# Altium PCB PMSM_Driver.PcbDoc (part 3 of 4)
Units mm, origin at the board's own origin, x right, y up, seen from the top; angles counter-clockwise.
Board outline 270 x 180 mm, 2 copper layers (Top Layer, Bottom Layer), stack 1.371 mm thick; 410 components, 145 nets, 890 pads, 484 vias.
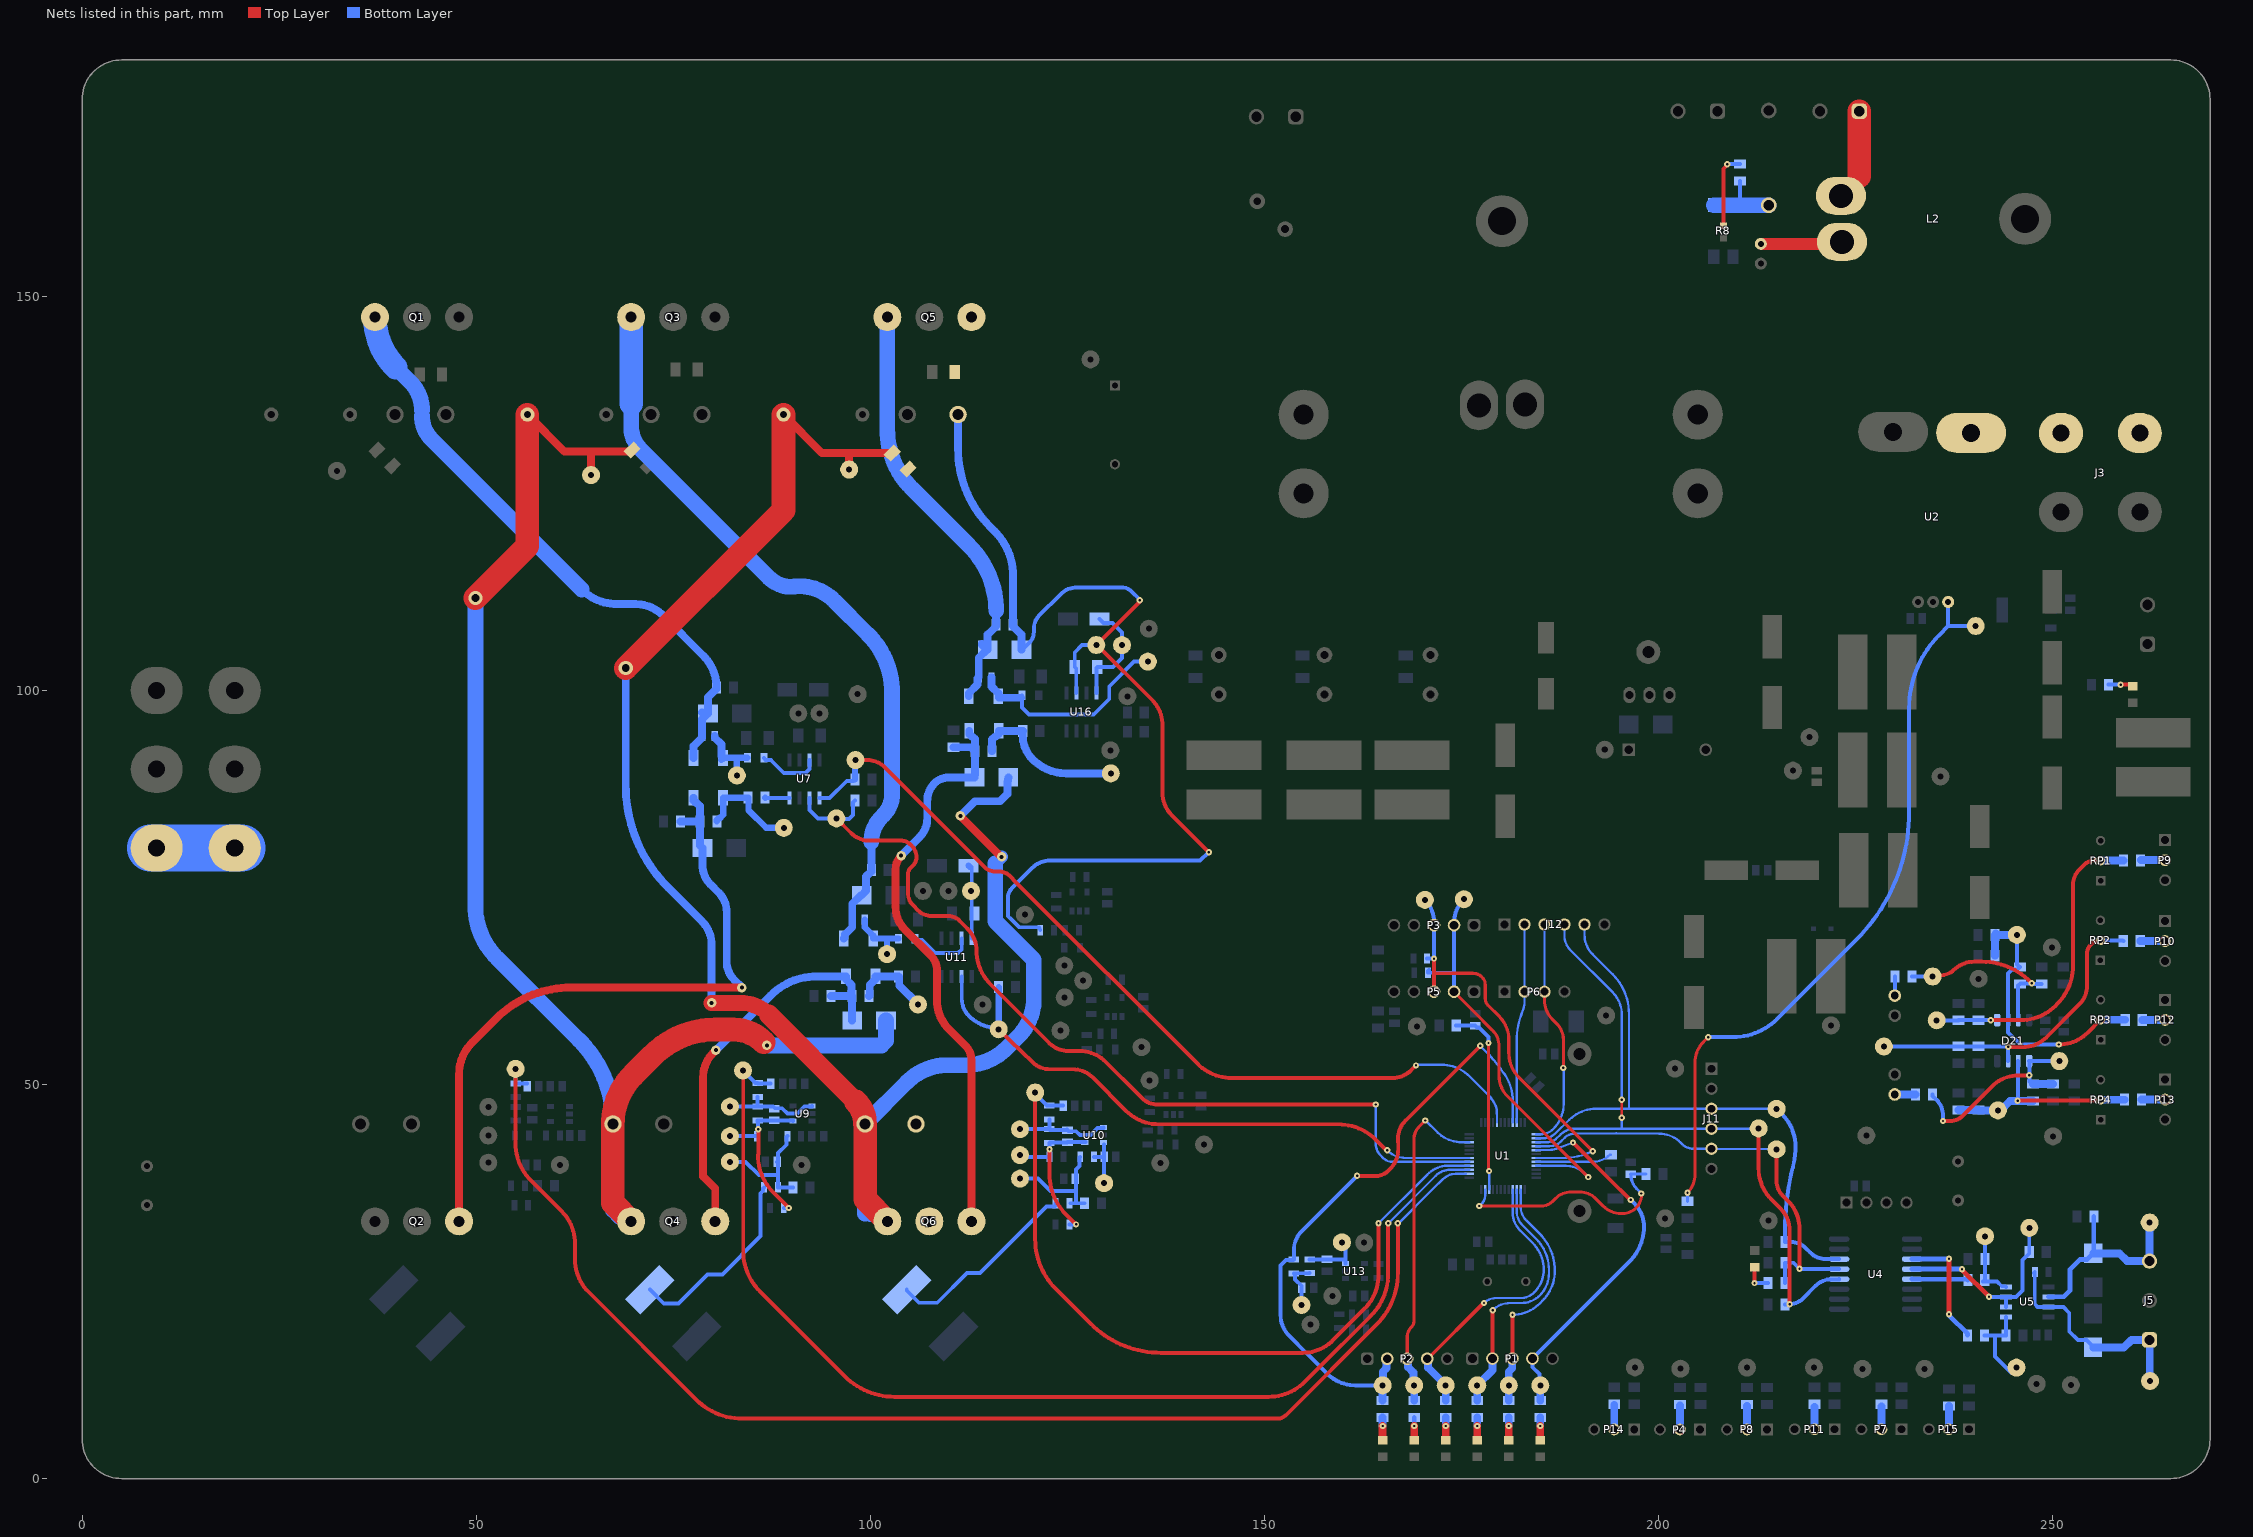
[diagram p3: the nets of this part, all layers, seen from the top]

## Via types
v1: diameter 1, hole 0.5, Top Layer to Bottom Layer, tented both sides, 337 vias
v2: diameter 0.8, hole 0.3, Top Layer to Bottom Layer, tented both sides, 109 vias
v3: diameter 1.2, hole 0.5, Top Layer to Bottom Layer, tented both sides, 17 vias
v4: diameter 1.2, hole 0.7, Top Layer to Bottom Layer, tented both sides, 8 vias
v5: diameter 0.8, hole 0.3, Top Layer to Bottom Layer, 5 vias
v6: diameter 1, hole 0.5, Top Layer to Bottom Layer, 4 vias
v7: diameter 1.8, hole 1, Top Layer to Bottom Layer, tented both sides, 4 vias

## Nets (pads, with @x,y where several pads share a name; then routed paths per layer and width w, separated by ;. In a path a pad name is that pad's centre, name@x,y a point inside that pad or via, vN(x,y) a via of type N, cw(c..) or ccw(c..) an arc to the next point about the centre after c; other vN are vias at no path point) (continued)
NetC49_1: C49.1 R50.2 R53.1 R122.2 TP58.1 U9.4 | length 21.5
  Top Layer w0.5: v2(85.807,44.309) 85.807,41.154 85.735,41.082 85.735,41.081 ccw(c92.539,41.08) 87.73,36.266 v2(89.671,34.325)
  Bottom Layer w0.5: TP58.1@82.2,43.44 R53.1@85.647,43.44 ; v2@85.735,44.309 85.735,43.926 R53.1@85.747,43.914 ; v2(85.807,44.309) 85.807,44.391 85.735,44.463 85.735,45.309 85.723,45.322 R50.2@85.723,45.438 R50.2@85.723,45.438 87.821,45.439 C49.1@87.823,45.441 87.861,45.403 90.184,45.403 U9.4@90.223,45.364 ; R122.2@89.025,34.325 v2(89.671,34.325)
NetC49_2: C49.2 R43.2 R50.1 TP62.1 U9.1 | length 12.4
  Bottom Layer w0.5: TP62.1@82.2,47.19 R50.1@85.723,47.189 ; R43.2@85.723,48.439 R50.1@85.723,47.189 ; U9.1@92.623,47.264 92.589,47.231 91.664,47.231 90.748,46.315 89.498,46.315 88.83,46.982 87.904,46.982 87.697,47.189 R50.1@85.723,47.189
NetC51_2: C51.2 C58.1 Q4.3 R63.2 R64.2 TP68.1 VD6.1 ZD7.1 | length 213.4
  Top Layer w1: C51.2@56.5,135 61.2,130.3 64.575,130.3 ; TP68.1@64.575,127.325 64.575,130.3 ; VD6.1@67.35,45 VD6.1@67.35,45.002 ; Q4.3@69.666,32.635 Q4.3@69.666,32.639 ; C58.1@69.848,130.352 69.828,130.331 69.403,130.331 69.373,130.3 64.575,130.3 ; v3@86.493,55.354 86.498,55.35 v3(86.898,54.95)
  Top Layer w3: v7(49.9,111.725) 56.5,118.325 C51.2@56.5,135 ; VD6.1@67.35,45 67.35,34.955 Q4.3@69.666,32.639 ; VD6.1@67.35,45.002 cw(c76.096,45.002) 69.915,51.19 72.394,53.669 cw(c80.37,45.702) 80.37,56.975 82.578,56.975 cw(c82.578,51.436) v3@86.493,55.354
  Bottom Layer w0.5: R64.2@72.03,23.97 73.8,22.2 75.65,22.2 79.361,25.911 81.236,25.911 86.071,30.746 86.071,36.171 86.421,36.521 86.421,36.822 R63.2@86.549,36.95
  Bottom Layer w1: 49.9,72.648 49.9,72.651 ; 52.622,66.078 52.623,66.077 ; 63.052,55.648 63.053,55.647 ; VD6.1@67.35,45 VD6.1@67.35,45.276 ; Q4.3@68.195,33.214 69.087,33.214 Q4.3@69.666,32.635 ; v3(86.898,54.95) v3@87.267,54.95 ; 90.303,54.95 90.306,54.95
  Bottom Layer w2: 49.9,72.648 ccw(c59.188,72.647) 52.622,66.078 ; 49.9,72.651 v7(49.9,111.725) ; 52.623,66.077 63.052,55.648 ; 63.053,55.647 cw(c52.686,45.276) VD6.1@67.35,45.276 ; VD6.1@67.35,44.946 67.35,34.059 Q4.3@68.195,33.214 ; v3@87.267,54.95 90.303,54.95 101.42,54.95 102.005,55.536 ZD7.1@102.005,58.12
NetC52_1: C52.1 R41.1 TP44.1 U1.14 | length 170.5
  Top Layer w0.5: TP44.1@55.006,52.055 54.999,42.606 ccw(c68.37,42.595) 54.999,42.511 54.999,42.51 ccw(c61.6,42.506) 56.945,37.825 60.807,33.963 cw(c56.607,29.758) 62.55,29.758 62.55,27.743 ccw(c68.265,27.742) 64.225,23.7 77.904,10.021 ccw(c83.766,15.88) 83.769,7.592 151.559,7.592 151.562,7.592 ccw(c151.563,9.41) 152.85,8.125 164.202,19.477 ccw(c157.567,26.112) 166.95,26.112 v2(166.95,32.375)
  Bottom Layer w0.3: v2(166.95,32.375) 167.024,32.375 171.447,36.797 172.678,37.994 cw(c174.311,36.316) 174.314,38.657 U1.14@175.56,38.657
  Bottom Layer w0.5: TP44.1@55.006,51.975 R41.1@55.006,50.145 C52.1@56.456,50.145
NetC53_1: C53.1 R52.2 R55.1 R124.2 TP59.1 U10.4 | length 21.6
  Top Layer w0.5: v2(122.752,41.796) 122.741,41.784 122.741,38.594 122.741,38.592 ccw(c129.908,38.591) 124.842,33.522 v2(126.121,32.243)
  Bottom Layer w0.5: TP59.1@119,41.04 119.218,40.821 R55.1@122.767,40.821 ; v2@122.741,41.796 122.741,41.04 R55.1@122.759,41.021 ; v2(122.752,41.796) 122.737,41.811 122.737,42.555 R52.2@122.722,42.57 122.785,42.632 124.96,42.632 C53.1@125.022,42.695 126.73,42.695 U10.4@127.329,42.695 ; R124.2@125.274,32.243 v2(126.121,32.243)
NetC53_2: C53.2 R44.2 R52.1 TP63.1 U10.1 | length 12.6
  Bottom Layer w0.5: TP63.1@119,44.322 R52.1@122.722,44.322 ; R44.2@122.722,45.569 R52.1@122.722,44.322 ; C53.2@124.959,44.258 C53.2@124.998,44.219 ; U10.1@129.623,44.519 129.58,44.476 128.83,44.476 127.923,43.569 126.598,43.569 126.102,44.064 125.152,44.064 C53.2@125.022,44.195 C53.2@124.998,44.219 ; R52.1@122.722,44.322 122.825,44.219 C53.2@124.998,44.219
NetC54_1: C54.1 R42.1 TP47.1 U10.3 | length 6.6
  Bottom Layer w0.5: R42.1@128.399,40.821 129.447,40.821 129.66,40.609 129.66,40.821 129.66,42.361 U10.3@129.647,42.373 ; C54.1@129.672,40.821 TP47.1@129.672,37.476 TP47.1@129.779,37.369
NetC55_1: C55.1 R44.1 TP52.1 U1.16 | length 101.3
  Top Layer w0.5: TP52.1@120.931,49.221 TP52.1@120.931,48.972 120.931,30.375 ccw(c129.879,30.373) 123.551,24.047 127.93,19.667 ; 127.93,19.667 ccw(c136.895,28.619) 136.902,15.95 154.861,15.95 154.863,15.95 ccw(c154.863,21.421) 158.733,17.554 162.734,21.555 ccw(c158.475,25.817) 164.5,25.817 v2(164.5,32.387)
  Bottom Layer w0.3: v2(164.5,32.387) 170.512,38.398 ccw(c169.857,39.18) 170.664,38.556 cw(c170.901,38.372) 170.689,38.585 cw(c173.407,35.84) 173.853,39.677 ccw(c173.885,39.975) 173.883,39.675 173.885,39.675 U1.16@176.025,39.675
  Bottom Layer w0.5: TP52.1@120.375,48.525 TP52.1@120.931,49.081 ; TP52.1@120.931,49.572 TP52.1@120.931,49.081 ; C55.1@124.472,47.321 R44.1@122.722,47.321 122.446,47.321 120.931,48.837 TP52.1@120.931,48.972 TP52.1@120.931,49.081
NetC56_1: C56.1 R43.1 TP45.1 U1.15 | length 145.1
  Top Layer w0.5: TP45.1@83.854,51.783 83.885,51.752 83.885,48.652 83.885,48.65 83.885,28.851 83.885,28.849 ccw(c91.088,28.848) 85.996,23.754 85.998,23.752 96.758,12.992 ccw(c103.083,19.314) 103.085,10.371 150.524,10.371 ccw(c150.526,16.939) 155.176,12.301 156.368,13.493 163.505,20.63 ccw(c158.149,25.988) 165.725,25.988 v2(165.725,32.375)
  Bottom Layer w0.3: v2(165.725,32.375) 171.764,38.414 cw(c173.591,36.6) 173.592,39.175 ; 173.593,39.175 U1.15@176.025,39.175
  Bottom Layer w0.5: TP45.1@83.567,51.783 TP45.1@83.854,51.783 85.447,50.19 R43.1@85.723,50.19 85.773,50.14 87.322,50.14 C56.1@87.373,50.089
NetC57_2: C57.2 D16.1 TP46.1 U11.8 | length 9.3
  Bottom Layer w0.5: U11.8@112.881,68.548 112.881,71.712 112.881,74.555 D16.1@112.881,77.615
  Bottom Layer w0.8: D16.1@112.475,77.775 D16.1@112.615,77.635
NetC65_2: C65.2 R127.1 U1.10 | length 24.1
  Top Layer w0.4: v2(178.453,55.258) 178.453,39.094 v2(178.525,39.023)
  Bottom Layer w0.3: U1.10@178.525,36.675 v2(178.525,39.023)
  Bottom Layer w0.5: R127.1@174.352,57.475 176.746,57.475 C65.2@176.75,57.479 176.975,57.254 177.232,57.254 178.453,56.033 v2(178.453,55.258)
NetC66_2: C66.2 R128.2 U1.11 | length 30.7
  Top Layer w0.4: v2(177.285,34.576) 185.212,34.576 ccw(c185.213,36.417) 186.516,35.116 186.921,35.521 ; 186.921,35.521 cw(c188.94,33.504) 188.94,36.358 190.032,36.358 cw(c190.033,33.498) 192.058,35.517 192.06,35.515 193.028,34.547 ccw(c195.253,36.77) 195.254,33.625 195.477,33.625 195.478,33.625 ccw(c195.478,36.005) 197.844,35.74 ccw(c197.446,35.783) 197.846,35.783 v5(197.846,36.172)
  Bottom Layer w0.3: v2(177.285,34.576) 177.605,34.896 ccw(c176.596,35.908) 178.025,35.908 U1.11@178.025,36.675
  Bottom Layer w0.4: v5(197.846,36.172) 197.287,36.731 cw(c199.182,38.629) 196.514,38.352 196.514,38.354 C66.2@196.5,38.629 198.42,38.629 R128.2@198.424,38.625
NetC67_1: C67.1 R40.2 R63.1 R73.2 TP70.1 | length 15.8
  Bottom Layer w0.5: TP70.1@82.2,40.189 84.194,40.189 85.877,38.506 88.301,38.506 ; R40.2@89.488,43.44 89.359,43.311 89.359,42.348 88.292,41.281 88.292,40.307 C67.1@88.174,40.189 88.301,40.062 88.301,38.506 ; R73.2@90.224,36.95 R63.1@88.301,36.95 88.301,38.506
NetC68_1: C68.1 R75.1 R76.2 TP74.1 | length 6.6
  Bottom Layer w0.5: R75.1@154.026,26.037 R75.1@153.75,26.037 153.783,26.037 153.911,25.909 153.911,25.251 154.75,24.413 C68.1@154.75,24.213 ; R75.1@154.154,26.049 155.737,26.049 R76.2@155.75,26.062 ; TP74.1@154.725,21.71 C68.1@154.725,24.188
NetC69_1: C69.1 R76.1 TP75.1 U13.3 | length 6.7
  Bottom Layer w0.5: R76.1@155.75,27.813 160.1,27.813 ; U13.3@160.3,27.263 160.3,27.463 160.3,27.813 TP75.1@160.3,29.657
NetC70_1: C70.1 C73.1 C74.2 J10.1 Q5.3 Q6.2 R70.1 R88.1 TP97.1 U16.6 VD7.1 VD8.2 ZD8.1 | length 147.3
  Top Layer w0.5: v2(134.204,111.425) 134.147,111.368 134.147,111.226 TP97.1@128.686,105.765 128.788,105.765 135.74,98.813 cw(c132.469,95.539) 137.097,95.539 137.097,86.952 ccw(c141.013,86.95) 138.246,84.179 v2(142.975,79.45)
  Bottom Layer w0.5: ZD8.1@119.202,105.165 119.302,105.165 120.203,106.066 ccw(c118.883,107.389) 120.752,107.389 120.752,107.834 120.752,107.835 cw(c123.086,107.836) 121.437,109.487 124.132,112.182 cw(c126.286,110.03) 126.286,113.075 131.876,113.075 cw(c131.876,111.24) 133.173,112.538 133.175,112.535 134.204,111.506 v2(134.204,111.425) ; R70.1@121.574,69.575 121.446,69.946 118.96,69.946 117.778,71.052 117.485,71.345 117.485,73.715 117.485,73.717 cw(c119.193,73.717) 117.986,74.926 120.55,77.489 cw(c122.808,75.234) 122.808,78.425 141.869,78.425 142.894,79.45 v2(142.975,79.45) ; U16.6@126.142,99.679 126.138,99.683 126.138,102.779 C73.1@125.952,102.965 125.952,104.827 126.89,105.765 TP97.1@128.686,105.765
  Bottom Layer w1: VD7.1@111.15,135 111.15,130.601 111.15,130.599 ccw(c125.087,130.598) 115.234,120.741 115.235,120.74 115.83,120.145 ; 115.831,120.144 cw(c110.291,114.6) 118.128,114.6 R88.1@118.128,108.331 118.128,108.155 119.202,107.081 ZD8.1@119.202,105.165
  Bottom Layer w6: J10.1@8.675,80 J10.1@9.46,80 J10.1@19.366,80 J10.1@20.267,80
NetC72_2: C72.2 C74.1 Q6.3 R116.2 R117.2 TP104.1 VD8.1 ZD9.1 | length 249.8
  Top Layer w1: 87.124,58.876 87.126,58.874 ; C72.2@89,135 93.892,130.108 97.325,130.108 ; TP104.1@97.325,128.025 97.325,130.108 ; 98.075,47.925 98.166,47.834 ; C74.1@102.792,130.108 102.616,129.931 102.403,129.931 102.227,130.108 97.325,130.108 ; v3(111.437,84.073) 116.636,78.873 v3(116.675,78.873)
  Top Layer w2: v3(79.875,60.35) 83.567,60.35 cw(c83.567,55.321) 87.124,58.876
  Top Layer w2.5: 87.126,58.874 98.075,47.925
  Top Layer w3: v7(68.975,102.825) 89,122.85 C72.2@89,135 ; 98.166,47.834 cw(c95.353,45.013) VD8.1@99.337,45.013 ; VD8.1@99.35,45 99.35,35.451 Q6.3@102.166,32.635
  Bottom Layer w0.5: R117.2@104.63,23.97 104.63,23.87 106.2,22.3 108.5,22.3 112.275,26.075 113.925,26.075 122.371,34.521 123.396,34.521 123.524,34.649 R116.2@123.524,34.925
  Bottom Layer w1: 68.975,87.993 ccw(c87.365,87.992) 74.363,74.987 78.653,70.697 78.656,70.694 cw(c75.714,67.751) 79.875,67.751 79.875,67.748 v3(79.875,60.35) ; 68.975,87.993 68.975,87.996 v7(68.975,102.825) ; 99.35,33.626 99.936,33.041 101.76,33.041 Q6.3@102.166,32.635 ; 109.821,52.45 109.824,52.45 ; v3(111.437,84.073) 113.297,85.933 116.464,85.933 117.408,86.877 117.408,88.324 ZD9.1@117.531,88.974 ; 120.758,60.861 120.758,60.864
  Bottom Layer w1.6: 115.855,78.053 v3(116.675,78.873)
  Bottom Layer w2: 99.35,33.626 VD8.1@99.35,45 104.661,50.311 cw(c109.819,45.161) 109.821,52.45 ; 109.824,52.45 112.083,52.45 ccw(c112.086,59.814) 117.295,54.609 118.783,56.097 ccw(c114.028,60.859) 120.758,60.861 ; 115.855,78.053 115.855,70.718 120.758,65.814 120.758,60.864
NetC73_2: C73.2 D19.1 TP88.1 U16.8 | length 13.6
  Bottom Layer w0.5: U16.8@128.682,99.679 128.686,99.683 C73.2@128.686,102.849 ; C73.2@128.802,102.965 130.793,102.965 131.966,104.138 131.966,107.343 130.75,108.559 129.601,108.559 D19.1@129.095,109.065
NetC77_1: C77.1 R42.2 R116.1 R121.2 TP108.1 | length 15.7
  Bottom Layer w0.5: TP108.1@119,38.05 121.3,38.05 122.871,36.479 126.116,36.479 ; R116.1@125.399,34.925 126.116,34.925 ; R42.2@126.647,40.821 126.55,40.724 126.55,39.667 126.099,39.215 126.099,38.05 126.116,38.033 126.116,36.479 ; R121.2@127.199,34.925 126.116,34.925 ; 126.116,34.925 126.116,36.479
NetD1_1: D1.1 R5.1 | length 2.9
  Top Layer w1: D1.1@169.021,4.871 v2(169.021,6.667)
  Bottom Layer w0.6: v2(169.021,6.667) R5.1@169.021,7.745
NetD2_1: D2.1 R1.1 | length 2.9
  Top Layer w1: D2.1@185.021,4.871 v2(185.021,6.667)
  Bottom Layer w1: v2(185.021,6.667) R1.1@185.021,7.745
NetD3_1: D3.1 R2.1 | length 2.9
  Top Layer w1: D3.1@181.021,4.871 v2(181.021,6.667)
  Bottom Layer w1: v2(181.021,6.667) R2.1@181.021,7.745
NetD4_1: D4.1 R3.1 | length 2.9
  Top Layer w1: D4.1@177.021,4.871 v2(177.021,6.667)
  Bottom Layer w1: v2(177.021,6.667) R3.1@177.021,7.745
NetD5_1: D5.1 R4.1 | length 2.9
  Top Layer w1: D5.1@173.021,4.871 v2(173.021,6.667)
  Bottom Layer w1: v2(173.021,6.667) R4.1@173.021,7.745
NetD6_1: D6.1 R6.1 | length 2.9
  Top Layer w1: D6.1@165.021,4.871 v2(165.021,6.667)
  Bottom Layer w1: v2(165.021,6.667) R6.1@165.021,7.745
NetD7_1: D7.1 R21.1 | length 3.8
  Top Layer w0.5: v2(212.2,24.8) 212.213,24.812 212.213,26.813 D7.1@212.225,26.825
  Bottom Layer w0.5: v2(212.2,24.8) R21.1@213.924,24.8
NetD8_1: D8.1 R25.1 R27.2 TP28.1 | length 9.1
  Bottom Layer w0.8: D8.1@81.114,91.212 D8.1@81.339,91.437 82.877,91.437 ; TP28.1@83.082,89.211 83.082,91.232 82.877,91.437 ; R27.2@84.414,91.437 82.877,91.437
  Bottom Layer w1: R25.1@80.27,94.074 R25.1@80.266,94.237 80.266,94.01 81.114,93.162 81.114,91.662 D8.1@81.339,91.437
NetD8_2: D8.2 Q1.1 R25.2 R26.2 ZD4.2 | length 78.5
  Bottom Layer w1: Q1.1@37.159,147.358 Q1.1@37.166,147.365 ; 41.637,139.138 41.639,139.136 ; 43.125,134.824 43.125,134.827 43.125,135.55 ; 44.363,131.837 44.364,131.836 ; 63.384,112.816 ccw(c67.886,117.313) 67.889,110.95 70.217,110.95 cw(c70.217,105.982) 73.733,109.492 78.829,104.396 cw(c74.818,100.388) R26.2@80.488,100.388 80.488,100.212 79.414,99.138 ZD4.2@79.414,97.088 ; D8.2@77.589,91.437 77.589,92.937 78.662,94.01 R25.2@78.662,94.237 78.662,96.336 ZD4.2@79.414,97.088 ; ZD4.2@78.659,97.192 78.664,97.192 ZD4.2@79.414,97.088
  Bottom Layer w2: 39.804,140.971 41.637,139.138 ; 41.639,139.136 cw(c38.054,135.55) 43.125,135.55 ; 43.125,134.824 ccw(c47.346,134.824) 44.363,131.837 ; 44.364,131.836 63.384,112.816
  Bottom Layer w3: Q1.1@37.159,147.358 Q1.1@37.166,147.365 37.159,147.353 ccw(c46.181,147.353) 39.804,140.971
NetD11_1: D11.1 R30.1 R32.2 TP37.1 | length 13.5
  Bottom Layer w0.8: R32.2@80.54,83.388 80.54,83.564 80.718,83.742 80.871,83.742 81.339,84.211 D11.1@81.339,86.388 R30.1@84.511,86.388 84.549,86.349 84.549,84.796 86.785,82.561 TP37.1@88.945,82.561
NetD11_2: D11.2 Q2.1 R32.1 R33.2 ZD5.2 | length 87.9
  Top Layer w1: Q2.1@47.834,32.635 47.834,51.312 47.834,51.314 cw(c53.492,51.315) 49.491,55.316 52.543,58.368 cw(c62.033,48.882) 62.033,62.3 v3(83.725,62.3)
  Bottom Layer w1: R33.2@75.94,83.388 R32.1@78.388,83.388 ; D11.2@77.589,86.388 77.589,86.013 77.814,85.788 77.92,85.788 78.388,85.319 R32.1@78.388,83.388 ; ZD5.2@78.388,80.314 R32.1@78.388,83.388 ; ZD5.2@78.714,79.988 78.725,79.977 78.725,79.276 78.725,77.828 ccw(c82.204,77.828) 79.745,75.366 79.747,75.365 80.789,74.322 80.79,74.321 cw(c78.387,71.914) 81.789,71.914 81.789,65.591 ccw(c85.053,65.588) 82.746,63.279 82.748,63.277 v3(83.725,62.3)
NetD12_1: D12.1 R31.1 | length 3.2
  Top Layer w0.5: v2(258.65,100.725) 259.993,100.725 D12.1@260.2,100.518
  Bottom Layer w0.5: R31.1@257.126,100.722 257.129,100.725 v2(258.65,100.725) v2@258.707,100.668
NetD15_1: D15.1 R38.1 R48.2 TP43.1 | length 8
  Bottom Layer w0.8: R38.1@99.318,70.915 99.322,70.911 99.322,69.959 100.391,68.89 D15.1@100.391,68.515 102.136,68.515 ; TP43.1@102.136,66.538 102.136,68.515 ; R48.2@103.591,68.515 102.136,68.515
NetD15_2: D15.2 Q3.1 R38.2 R45.2 ZD6.2 | length 96.6
  Bottom Layer w1: 87.11,114.34 87.111,114.339 ; D15.2@96.641,68.515 96.766,68.64 96.766,69.015 97.714,69.963 R38.2@97.714,70.915 ; R38.2@97.714,71.046 97.714,72.913 98.816,74.015 ZD6.2@98.916,74.015 99.475,74.574 99.475,76.375 100.061,76.961 R45.2@100.139,77.039 ; 99.719,107.107 99.721,107.105 ; R45.2@100.139,77.215 100.139,80.755 ; 101.472,83.976 101.694,84.198 ; 102.772,86.798 102.772,86.8
  Bottom Layer w2: 69.666,136.37 69.666,133.476 ccw(c73.747,133.475) 70.862,130.588 87.11,114.34 ; 87.111,114.339 ccw(c89.982,117.207) 89.985,113.149 cw(c90.964,106.857) 95.439,111.387 99.719,107.107 ; 99.721,107.105 cw(c92.36,99.742) 102.772,99.742 102.772,86.8 ; 100.139,80.755 cw(c104.68,80.762) 101.472,83.976 ; 101.694,84.198 ccw(c99.099,86.797) 102.772,86.798
  Bottom Layer w3: 69.666,136.37 Q3.1@69.666,147.365
NetD17_1: D17.1 R57.1 R58.2 TP66.1 | length 10.2
  Bottom Layer w1: R58.2@99.857,61.22 99.935,61.298 99.935,62.624 100.656,63.345 D17.1@100.656,63.72 R57.1@103.605,63.72 103.684,63.642 103.684,62.566 TP66.1@105.984,60.266
NetD17_2: D17.2 Q4.1 R58.1 R59.2 ZD7.2 | length 51.5
  Top Layer w1: Q4.1@80.334,32.635 80.334,36.791 78.8,38.325 78.8,50.932 78.8,50.934 cw(c83.132,50.934) 80.071,53.999 v3(80.423,54.352)
  Bottom Layer w1: v3(80.423,54.352) 87.368,61.296 cw(c93.217,55.45) 93.217,63.72 94.171,63.72 D17.2@96.906,63.72 96.906,63.345 97.627,62.624 97.627,61.298 R58.1@97.705,61.22 ; R59.2@95.022,61.22 R58.1@97.705,61.22 ; ZD7.2@97.705,58.12 R58.1@97.705,61.22
NetD18_1: D18.1 R86.1 R89.2 TP87.1 | length 27
  Bottom Layer w0.5: R89.2@119.279,99.36 119.279,97.851 120.17,96.96 128.365,96.96 130.325,98.92 130.325,100.5 133.475,103.65 TP87.1@135.225,103.65
  Bottom Layer w1: R86.1@115.379,101.665 115.379,100.507 D18.1@116.252,99.634 ; D18.1@116.354,99.36 116.354,99.086 116.377,99.063 R89.2@119.131,99.063
NetD18_2: D18.2 Q5.1 R86.2 R88.2 ZD8.2 | length 55.2
  Bottom Layer w1: 102.166,133.111 102.166,133.114 ; 105.262,125.638 105.264,125.637 ; D18.2@112.502,99.259 112.502,99.634 113.621,100.753 R86.2@113.621,101.511 ; 112.561,118.339 112.562,118.338 ; R86.2@113.775,101.665 113.775,104.138 ZD8.2@114.802,105.165 ; ZD8.2@114.152,105.915 114.152,105.815 ZD8.2@114.802,105.165 ; 115.977,110.095 115.977,110.093 R88.2@115.977,108.331 115.977,108.155 114.902,107.081 ZD8.2@114.902,105.165 ZD8.2@114.802,105.165
  Bottom Layer w2: 102.166,133.111 ccw(c112.732,133.11) 105.262,125.638 ; 102.166,133.114 Q5.1@102.166,147.365 ; 105.263,125.637 112.561,118.339 ; 112.562,118.338 cw(c104.323,110.096) 115.977,110.095
NetD20_1: D20.1 R103.1 R107.2 TP102.1 | length 20.4
  Bottom Layer w1: R107.2@115.456,92.274 115.456,93.778 115.795,94.117 115.932,94.117 116.307,94.492 D20.1@116.307,94.867 119.339,94.867 R103.1@119.355,94.851 ; R103.1@119.383,94.847 119.358,94.597 119.358,94.593 ccw(c123.635,94.294) 120.607,91.258 ccw(c124.916,95.572) 124.924,89.475 TP102.1@130.525,89.475
NetD20_2: D20.2 Q6.1 R107.1 R108.2 ZD9.2 | length 74.8
  Top Layer w1: v3@103.925,78.996 ccw(c105.636,77.285) 103.216,77.285 103.216,76.504 103.216,72.488 ccw(c107.188,72.485) 104.378,69.678 104.382,69.674 107.699,66.357 107.7,66.356 cw(c105.838,64.49) 108.474,64.489 108.474,64.487 108.474,60.622 108.474,60.619 ccw(c113.526,60.618) 109.956,57.044 109.957,57.043 112.08,54.92 112.082,54.918 cw(c110.27,53.104) 112.834,53.103 112.834,53.101 Q6.1@112.834,32.635
  Bottom Layer w1: v3(103.925,79.05) 106.271,81.396 ccw(c103.962,83.709) 107.23,83.709 107.23,85.933 cw(c110.481,85.933) 108.182,88.232 cw(c109.912,86.506) 109.913,88.95 109.915,88.95 113.206,88.95 ZD9.2@113.231,88.974 ; R108.2@110.581,92.791 112.787,92.791 113.05,92.528 113.226,92.528 113.304,92.45 R107.1@113.304,92.274 ; D20.2@112.557,94.867 112.557,94.492 112.932,94.117 113.011,94.117 113.304,93.824 R107.1@113.304,92.274 ; ZD9.2@113.304,89.343 R107.1@113.304,92.274
NetD21_1: D21.1 R92.2 R100.2 R102.2 TP95.1 | length 26.3
  Top Layer w0.5: v2(236.125,45.359) 237.031,45.359 ccw(c237.033,47.53) 238.57,45.996 242.328,49.755 cw(c245.7,46.386) 245.7,51.152 245.702,51.152 v2(247.074,51.152)
  Bottom Layer w0.5: R100.2@234.798,48.73 234.798,48.554 R100.2@235.264,48.089 ; R100.2@235.264,48.089 cw(c233.191,46.012) 236.125,46.01 v2(236.125,45.359) ; D21.1@247.046,52.968 TP95.1@250.871,52.968 ; D21.1@247.074,52.939 v2(247.074,51.152) 247.074,50.402 247.402,50.074 R92.2@247.521,50.074
  Bottom Layer w1: R92.2@247.521,50.074 R102.2@250.063,50.075
NetD21_2: D21.2 R92.1 R111.1 R115.2 R120.2 RP4.2 TP107.1 | length 28.2
  Top Layer w0.5: v2(245.584,47.922) 245.642,47.98 256.031,47.98 RP4.2@256.111,48.059
  Bottom Layer w0.5: v2@245.656,48.232 D21.2@245.656,52.968 ; R115.2@259.146,48.059 R115.2@259.171,48.084
  Bottom Layer w1: R111.1@238.084,46.748 R120.2@240.641,46.747 ; R120.2@240.679,46.709 243.429,46.709 244.642,47.922 v2(245.584,47.922) ; v2@245.656,47.922 R92.1@247.521,47.922 ; RP4.2@256.131,48.059 R115.2@259.146,48.059
NetD21_3: D21.3 R91.1 R96.1 R106.2 RP2.2 TP101.1 | length 41
  Top Layer w0.5: v2(244.386,54.768) 246.293,54.768 ccw(c246.294,58.928) 249.238,55.988 253.458,60.208 ccw(c251.188,62.48) 254.4,62.48 254.4,66.609 cw(c256.024,66.609) RP2.2@256.099,68.231
  Bottom Layer w0.5: TP101.1@228.598,54.822 TP101.1@228.62,54.822 238.062,54.822 R91.1@238.084,54.843 239.338,54.843 R106.2@240.642,54.843 240.68,54.806 244.348,54.806 v2(244.386,54.768) D21.3@244.386,52.968 ; RP2.2@256.101,68.274 258.916,68.274 R96.1@258.996,68.194
NetD21_5: D21.5 R90.1 R95.2 R105.2 RP1.2 TP100.1 | length 40.5
  Top Layer w0.5: v2(242.195,58.155) 245.164,58.155 245.167,58.155 245.966,58.155 ccw(c245.966,64.393) 250.377,59.982 250.602,60.206 ccw(c245.686,65.122) 252.626,65.535 cw(c253.125,65.562) 252.625,65.56 252.625,75.345 252.625,75.346 cw(c255.358,75.346) 253.427,77.28 254.002,77.856 cw(c255.312,76.549) 255.312,78.399 RP1.2@256.111,78.399
  Bottom Layer w0.5: TP100.1@235.321,58.142 R105.2@238.071,58.142 238.084,58.155 v2(242.195,58.155) 242.983,58.155 D21.5@242.996,58.168
  Bottom Layer w1: RP1.2@256.111,78.399 R95.2@259.03,78.399
NetD21_6: D21.6 R93.1 R112.1 R113.1 R119.2 RP3.2 TP106.1 | length 35.4
  Top Layer w0.5: v2(250.817,55.069) ccw(c250.817,60.27) 254.495,56.594 RP3.2@256.111,58.209
  Bottom Layer w0.5: TP106.1@245.496,68.984 245.496,65.246 R93.1@245.824,64.917 ; R93.1@245.887,64.917 245.559,64.589 244.884,64.589 244.386,64.091 D21.6@244.386,58.168 244.386,56.618 245.934,55.069 v2(250.817,55.069) ; R112.1@259.224,58.209 R112.1@259.249,58.184
  Bottom Layer w1: R119.2@242.732,68.984 TP106.1@245.411,68.984 ; R113.1@242.732,66.335 R119.2@242.732,68.984 ; RP3.2@256.111,58.209 R112.1@259.224,58.209
NetD21_7: D21.7 R93.2 R99.2 R101.2 TP94.1 | length 25.6
  Top Layer w0.5: TP94.1@234.809,63.7 ccw(c234.816,69.127) 236.893,64.113 ccw(c236.213,65.754) 237.471,64.5 237.472,64.501 cw(c240.078,61.894) 240.081,65.58 241.093,65.58 241.094,65.58 cw(c241.102,57.014) 247.169,63.062 v2(247.392,62.839)
  Bottom Layer w0.5: R99.2@232.176,63.7 TP94.1@234.809,63.7 ; D21.7@245.656,58.168 245.656,62.571 245.924,62.839 v2(247.392,62.839) 247.355,62.802 245.924,62.802 R93.2@245.887,62.766 ; v2@247.318,62.765 R101.2@248.645,62.765
NetJ1_1: J1.1 L2.1 | length 10.4
  Top Layer w1.5: J1.1@213.15,156.655 L2.1@223.6,156.655
NetJ2_1: J2.1 L2.2 | length 11.8
  Top Layer w1.5: L2.2@223.171,162.761 223.171,162.899 225.5,165.228 ; L2.2@225.286,162.771 L2.2@225.371,162.686
  Top Layer w3: 225.5,165.228 J2.1@225.5,173.5
NetJ3_2: J3.2 U2.4
NetJ5_1: J5.1 R22.2 TP24.1 U5.7 ZD2.2 | length 28.2
  Bottom Layer w0.5: R22.2@247.639,26.085 R22.2@247.764,26.21 247.764,22.136 248.116,21.785 U5.7@249.512,21.785 ; U5.7@249.486,21.76 250.2,21.76 250.22,21.74 251.39,21.74 252.14,20.99 252.14,18.67 253.231,17.579 254.3,17.579 255.15,16.729 ZD2.2@255.15,16.65 ZD2.2@255.18,16.62 ; J5.1@262.32,17.59 J5.1@262.355,17.555 ; TP24.1@262.355,12.405 TP24.1@262.39,12.37
  Bottom Layer w1: ZD2.2@255.18,16.62 259.06,16.62 260.03,17.59 J5.1@262.32,17.59 ; TP24.1@262.355,12.405 J5.1@262.355,17.555
NetJ5_3: J5.3 R12.1 TP20.1 U5.6 ZD1.2 | length 26.7
  Bottom Layer w0.6: U5.6@249.512,23.055 251.464,23.055 252.23,23.821 252.23,26.51 253.501,27.781 254.386,27.781 ZD1.2@255.18,28.575 255.256,28.651 R12.1@255.256,33.26
  Bottom Layer w1: ZD1.2@255.18,28.575 258.5,28.575 259.485,27.59 J5.3@262.32,27.59 262.33,27.6 262.33,32.47 TP20.1@262.34,32.48
NetJ11_3: J11.3 J12.5 R13.1 TP22.1 U1.38 U4.6 | length 82.3
  Bottom Layer w0.3: U1.38@184.525,43.175 185.412,43.175 ccw(c185.413,45.377) 186.957,43.807 ; 186.957,43.807 188.694,45.516 cw(c192.13,42.025) 192.131,46.923 196.275,46.923 ; J12.5@190.628,70.302 190.628,69.016 ccw(c194.171,69.014) 191.667,66.508 194.208,63.967 cw(c189.212,58.967) 196.28,58.967 196.28,58.038 196.275,58.033 196.275,46.923 ; TP22.1@215,46.91 214.993,46.917 J11.3@206.752,46.917 205.88,46.917 205.873,46.923 196.275,46.923
  Bottom Layer w0.5: TP22.1@215,46.91 215.732,46.178 cw(c211.729,42.165) 217.397,42.169 cw(c206.345,42.165) 217.06,39.456 ccw(c248.352,31.547) 216.076,31.547 216.076,31.545 R13.1@216.076,30.025 216.829,30.025 cw(c216.829,27.403) 218.684,29.256 ; 218.685,29.255 219.274,28.666 ccw(c221.253,30.64) 221.253,27.845 221.254,27.845 U4.6@222.935,27.845
NetJ11_4: J11.4 J12.4 R14.1 TP19.1 U1.39 U4.4 | length 88.9
  Top Layer w0.3: v2(195.375,45.775) v2(195.375,48.05)
  Top Layer w0.5: TP19.1@212.725,44.425 212.725,39.32 ccw(c218.264,39.32) 214.348,35.402 215.554,34.196 cw(c212.902,31.542) 216.654,31.542 v2(216.654,22.1)
  Bottom Layer w0.3: U1.39@184.525,42.675 184.972,42.677 186.036,42.689 ccw(c186.023,44.076) 186.962,43.055 187.64,43.678 187.647,43.684 187.649,43.687 cw(c189.33,42.005) 189.33,44.383 195.333,44.383 ; J12.4@188.088,70.302 188.088,68.907 ccw(c190.727,68.905) 188.862,67.038 194.184,61.716 cw(c191.314,58.843) 195.375,58.843 v2(195.375,48.05) ; v2(195.375,45.775) 195.375,44.425 195.333,44.383 ; TP19.1@212.725,44.383 195.333,44.383
  Bottom Layer w0.5: R14.1@216.076,22.1 v2(216.654,22.1) 216.712,22.157 ccw(c216.712,24.441) 218.328,22.828 219.958,24.458 cw(c221.942,22.477) 221.942,25.281 222.911,25.281 U4.4@222.935,25.305
NetJ11_5: J11.5 R21.2 R24.2 TP18.1 U1.40 U4.5 | length 57.3
  Top Layer w0.5: TP18.1@215,41.775 215,37.768 ccw(c217.626,37.763) 215.773,35.902 216.061,35.614 216.454,35.221 ; 216.454,35.221 cw(c212.933,31.696) 217.915,31.696 v2(217.915,26.621)
  Bottom Layer w0.3: U1.40@184.525,42.175 186.177,42.175 ; 186.178,42.175 ccw(c186.179,44.272) 187.663,42.79 188.116,43.243 cw(c189.339,42.02) 189.339,43.75 194.636,43.803 194.646,43.803 cw(c194.649,41.669) 194.67,43.803 200.109,43.75 cw(c200.109,39.91) 202.826,42.624 203.019,42.431 ccw(c204.437,43.847) 204.437,41.843 ; 204.438,41.843 205.873,41.843 205.907,41.809 206.752,41.809 214.966,41.809 TP18.1@215,41.775
  Bottom Layer w0.5: R21.2@216.076,24.8 R24.2@216.076,27.375 217.161,27.375 v2(217.915,26.621) ; v2@217.938,26.598 222.912,26.598 U4.5@222.935,26.575
NetJ12_2: J12.2 P6.2 U1.34 | length 25.3
  Bottom Layer w0.3: U1.34@182.025,45.175 182.025,45.622 182.025,55.559 ; 182.025,55.56 cw(c191.758,55.56) 182.766,59.284 182.767,59.286 ccw(c179.611,60.589) 183.025,60.589 183.025,61.76 P6.2@183.01,61.775 183.009,61.776 183.009,70.301 J12.2@183.008,70.302
NetJ12_3: J12.3 P6.3 U1.37 | length 29.4
  Top Layer w0.3: J12.3@185.548,70.302 J12.3@185.549,70.301
  Top Layer w0.4: P6.3@185.55,61.775 185.55,60.669 ccw(c188.912,60.667) 186.536,58.289 187.116,57.709 cw(c186.834,57.426) 187.119,57.706 cw(c185.111,55.699) 187.95,55.699 v2(187.95,52.1)
  Bottom Layer w0.3: U1.37@184.525,43.675 185.042,43.675 185.044,43.675 ccw(c185.046,45.965) 186.666,44.347 ccw(c183.509,47.505) 187.975,47.505 187.975,52.075 v2(187.95,52.1) ; P6.3@185.549,61.776 J12.3@185.549,70.301
NetLED1_2: LED1.2 R100.1 | length 2.6
  Bottom Layer w1: LED1.2@230,48.73 R100.1@232.647,48.73
NetLED2_2: LED2.2 R99.1 | length 2.4
  Bottom Layer w0.5: LED2.2@230,61.27 230.012,61.282 230.012,63.688 R99.1@230.024,63.7
NetP1_2: P1.2 R3.2 TP6.1 U1.3 | length 33.9
  Top Layer w0.3: P1.2@178.931,15.242 P1.2@178.951,15.221
  Top Layer w0.5: P1.2@178.931,15.242 178.963,15.274 178.963,21.338 v2(178.975,21.35)
  Bottom Layer w0.3: v2(178.975,21.35) cw(c181.208,19.117) 181.208,22.275 182.648,22.275 ccw(c182.649,25.538) 184.956,23.231 ccw(c182.135,26.053) 186.125,26.053 186.125,26.479 ; U1.3@182.025,36.675 182.025,33.927 ccw(c184.565,33.927) 182.769,32.131 184.501,30.399 cw(c180.586,26.481) 186.125,26.48
  Bottom Layer w1: R3.2@177.021,9.897 TP6.1@177.021,11.821 178.951,13.751 P1.2@178.951,15.221
NetP1_3: P1.3 R2.2 TP5.1 U1.2 | length 31.3
  Top Layer w0.5: P1.3@181.491,15.221 v2(181.491,20.771)
  Bottom Layer w0.3: v2(181.491,20.771) ccw(c181.421,25.856) 185.281,22.544 ccw(c181.485,26.366) 186.871,26.364 ccw(c180.211,26.365) 184.918,31.077 183.269,32.726 cw(c185.065,34.522) 182.525,34.522 U1.2@182.525,36.675
  Bottom Layer w1: R2.2@181.021,9.897 TP5.1@181.021,11.821 181.026,11.825 181.026,13.555 181.465,13.995 181.465,15.195 P1.3@181.491,15.221
NetP1_4: P1.4 R1.2 TP4.1 U1.41 | length 47.1
  Top Layer w0.5: v2(189.175,42.625) 193.699,38.101 196.45,35.35 v2(196.5,35.35)
  Bottom Layer w0.3: U1.41@184.525,41.675 184.972,41.677 186.377,41.695 186.573,41.725 ccw(c186.179,44.272) 187.066,41.852 v2(189.175,42.625)
  Bottom Layer w0.5: TP4.1@185.021,11.821 184.913,11.929 184.913,13.238 184.031,14.12 P1.4@184.031,15.221 194.898,26.087 194.9,26.09 196.321,27.51 ccw(c191.844,31.987) 198.175,31.987 ccw(c194.101,31.987) 196.98,34.87 v2(196.5,35.35)
  Bottom Layer w1: R1.2@185.021,9.897 TP4.1@185.021,11.821
NetP2_2: P2.2 R6.2 R75.2 TP3.1 U1.33 | length 80.4
  Top Layer w0.5: v2(161.775,38.4) 164.177,38.4 ccw(c164.178,40.546) 165.681,39.015 ; v2(177.4,54.9) 168.203,45.703 167.906,45.406 ccw(c170.152,43.158) 166.974,43.161 cw(c166.474,43.162) 166.974,43.154 ccw(c167.474,43.147) 166.975,43.117 166.983,42.985 cw(c166.484,42.955) 166.984,42.955 166.984,42.707 166.994,42.696 166.994,41.764 cw(c163.464,41.764) 165.712,39.042 ccw(c166.032,38.658) 165.682,39.016 ; 165.681,39.015 165.682,39.016
  Bottom Layer w0.3: v2@177.387,54.887 cw(c162.551,38.891) 180.445,51.373 cw(c175.469,47.901) 181.525,47.537 ccw(c181.825,47.52) 181.525,47.521 U1.33@181.525,45.175
  Bottom Layer w0.5: 157.935,13.34 ccw(c161.599,17) 161.599,11.821 165.016,11.821 TP3.1@165.021,11.821 ; 157.935,13.34 155.521,15.754 155.517,15.758 153.147,18.128 cw(c155.728,20.713) 152.075,20.713 152.075,21.761 152.075,21.767 152.075,27.046 152.737,27.708 153.67,27.708 R75.2@153.75,27.788 153.75,28.792 153.75,28.999 cw(c157.071,28.999) 154.723,31.348 154.869,31.494 v2(161.775,38.4)
  Bottom Layer w1: R6.2@165.021,9.897 TP3.1@165.021,11.821 165.04,11.84 165.04,13.541 165.519,14.02 165.519,15.119 P2.2@165.596,15.196
NetP2_3: P2.3 R5.2 TP2.1 U1.22 | length 43.2
  Top Layer w0.4: P2.3@168.136,15.196 168.136,17.931 168.136,17.932 cw(c169.934,17.933) 168.664,19.206 ccw(c167.909,19.96) 168.976,19.96 ; 168.976,19.962 168.976,19.96 ; v2(170.425,45.425) 169.694,44.694 ccw(c171.421,42.964) 168.976,42.964 168.976,19.96
  Bottom Layer w0.3: v2(170.425,45.425) 170.473,45.425 172.005,43.893 ccw(c172.211,44.111) 172.015,43.884 172.017,43.883 172.44,43.522 cw(c172.246,43.294) 172.442,43.521 172.449,43.516 ccw(c175.107,47.294) 172.453,43.513 ccw(c175.107,47.294) 175.108,42.675 U1.22@176.025,42.675
  Bottom Layer w1: P2.3@168.136,15.196 168.251,15.081 168.251,14.121 168.918,13.455 168.918,11.925 TP2.1@169.021,11.821 R5.2@169.021,9.897
NetP2_4: P2.4 R4.2 TP1.1 U1.4 | length 37.8
  Top Layer w0.5: P2.4@170.676,15.196 170.742,15.196 177.82,22.275 v2(177.886,22.275)
  Bottom Layer w0.3: v2(177.886,22.275) cw(c179.39,20.771) 179.39,22.898 182.5,22.898 ; 181.525,33.697 ccw(c184.616,33.697) 182.431,31.51 184.054,29.887 184.058,29.884 cw(c180.664,26.493) 185.461,26.493 cw(c181.414,26.493) 184.277,23.633 cw(c182.503,25.406) 182.501,22.898 ; 181.525,33.698 U1.4@181.525,36.675
  Bottom Layer w1: P2.4@170.676,15.196 170.788,15.085 170.788,14.055 TP1.1@173.021,11.821 R4.2@173.021,9.897
NetP3_2: P3.2 P5.2 R47.2 TP65.1 U1.45 | length 53.1
  Top Layer w0.4: P5.2@174.076,61.773 176.417,59.431 178.948,56.9 cw(c176.918,54.866) 179.792,54.866 179.792,54.864 179.792,51.072 179.792,51.071 ccw(c183.441,51.07) 180.862,48.488 v2(191.1,38.25)
  Top Layer w0.5: P3.2@174.076,70.213 174.076,70.477 P3.2@174.076,70.479
  Bottom Layer w0.3: U1.45@184.525,39.675 188.238,39.675 cw(c188.238,36.207) 190.692,38.658 v2(191.1,38.25)
  Bottom Layer w0.5: R47.2@170.907,64.55 170.779,64.422 R47.2@170.779,64.175 174.076,64.175 ; P5.2@174.076,61.773 174.076,64.175 ; P3.2@174.076,70.213 174.076,64.175 ; P3.2@174.076,70.479 cw(c178.351,70.479) TP65.1@175.328,73.502
NetP3_3: P3.3 P5.3 R46.2 TP64.1 U1.43 | length 53.8
  Top Layer w0.4: 171.536,64.115 176.444,64.115 176.445,64.115 cw(c176.446,62.45) 177.625,63.625 cw(c176.632,62.633) 178.036,62.633 178.036,60.895 ccw(c179.21,60.893) 178.381,60.061 179.792,58.651 cw(c176.82,55.675) 181.025,55.675 181.025,54.042 ccw(c185.509,54.04) 182.34,50.868 v2(191.693,41.515)
  Top Layer w0.5: P5.3@171.536,61.773 171.536,64.115 v2(171.536,65.975) ; P3.3@171.536,70.213 P3.3@171.536,70.632
  Bottom Layer w0.3: U1.43@184.525,40.675 187.875,40.675 ccw(c187.877,49.833) 190.734,41.132 v2(191.693,41.515)
  Bottom Layer w0.5: TP64.1@170.378,73.427 cw(c167.583,70.632) P3.3@171.536,70.632 ; R46.2@170.672,65.975 v2(171.536,65.975) P3.3@171.536,70.213
NetP4_2: P4.2 R60.2 | length 3
  Bottom Layer w1: P4.2@202.745,6.22 R60.2@202.745,9.269
NetP7_2: P7.2 R78.2 | length 2.9
  Bottom Layer w1: P7.2@228.31,6.25 R78.2@228.31,9.12
NetP8_2: P8.2 R85.2 | length 3
  Bottom Layer w1: P8.2@211.253,6.229 R85.2@211.253,9.211
NetP9_2: P9.2 R95.1 | length 3.1
  Bottom Layer w0.5: R95.1@261.181,78.399 R95.1@261.241,78.459
  Bottom Layer w1: R95.1@261.241,78.459 P9.2@264.306,78.459
NetP10_2: P10.2 R96.2 | length 3
  Bottom Layer w1: R96.2@261.148,68.194 P10.2@264.131,68.194
NetP11_2: P11.2 R94.2 | length 2.8
  Bottom Layer w1: P11.2@219.835,6.251 R94.2@219.835,9.073
NetP12_2: P12.2 R112.2 | length 2.9
  Bottom Layer w1: R112.2@261.401,58.184 P12.2@264.306,58.184
NetP13_2: P13.2 R115.1 | length 3
  Bottom Layer w1: R115.1@261.323,48.084 P13.2@264.306,48.084
NetP14_2: P14.2 R114.2 | length 3.1
  Bottom Layer w1: P14.2@194.402,6.225 R114.2@194.402,9.322
NetP15_2: P15.2 R125.2 | length 3
  Bottom Layer w1: P15.2@236.865,6.25 R125.2@236.865,9.226
NetR8_1: R8.1 R11.2 VD1.1 | length 10
  Bottom Layer w0.5: 210.375,161.575 R11.2@210.375,164.624
  Bottom Layer w2: R8.1@207.021,161.575 VD1.1@214,161.575
NetR9_1: R9.1 U1.44 | length 9.7
  Bottom Layer w0.3: U1.44@184.525,40.175 191.648,40.175 ccw(c191.649,43.251) 193.824,41.076 R9.1@194,41.076
NetR10_2: R10.2 TP15.1 U2.3 | length 94.8
  Top Layer w0.4: v5(203.7,36.254) ccw(c201.406,38.548) 204.65,38.548 204.65,52.792 ; 204.65,52.793 cw(c208.349,52.793) 205.734,55.409 v2(206.325,56)
  Bottom Layer w0.4: R10.2@203.7,35.176 v5(203.7,36.254)
  Bottom Layer w0.5: v2(206.325,56) 209.452,56 ccw(c209.453,63.96) 215.083,58.333 225.125,68.375 ccw(c208.953,84.549) 231.825,84.549 231.825,97.793 231.825,97.794 cw(c244.913,97.794) 235.659,107.05 236.778,108.168 ; U2.3@236.728,111.171 U2.3@236.778,111.221 ; U2.3@236.778,111.171 236.778,108.168 ; TP15.1@240.27,108.168 236.778,108.168
NetR11_1: R11.1 VD2.2 | length 9.7
  Top Layer w0.5: VD2.2@208.35,158.964 208.246,159.068 208.246,166.195 208.746,166.695 v2(208.746,166.776)
  Bottom Layer w0.5: v2(208.746,166.776) R11.1@210.375,166.776
NetR15_1: R15.1 R20.1 TP23.1 U5.1 | length 10.6
  Bottom Layer w0.5: R20.1@241.381,18.171 242.734,18.171 ; U5.1@244.088,20.515 R15.1@244.088,18.171 ; R15.1@244.124,18.171 R15.1@244.088,18.171 ; TP23.1@244.728,13.467 242.734,15.461 242.734,18.171 ; 242.734,18.171 R15.1@244.088,18.171
NetR16_1: R16.1 R18.1 TP17.1 U5.4 | length 8.7
  Bottom Layer w0.5: R18.1@241.219,24.994 242.981,24.994 243.575,24.4 244.013,24.4 U5.4@244.088,24.325 ; R18.1@241.422,25.17 241.436,25.184 241.436,30.726 TP17.1@241.45,30.74
NetR18_2: R18.2 U4.13 | length 7.1
  Bottom Layer w0.6: U4.13@232.185,25.305 232.204,25.286 239.154,25.286 R18.2@239.27,25.17
NetR20_2: R20.2 U4.11 | length 15.4
  Top Layer w0.6: v2(236.875,20.85) v2(236.875,27.87)
  Bottom Layer w0.6: U4.11@232.185,27.845 232.198,27.858 236.862,27.858 v2(236.875,27.87) ; v2(236.875,20.85) 236.913,20.812 236.913,20.662 239.229,18.347 R20.2@239.229,18.171
NetR23_2: R23.2 TP21.1 U4.12 U5.2 U5.3 | length 25.5
  Top Layer w0.6: v2@238.521,26.493 238.537,26.493 238.56,26.47 238.56,26.454 v2(241.959,23.055)
  Bottom Layer w0.5: v2(241.959,23.055) U5.3@244.088,23.055 ; U5.2@244.088,21.785 U5.3@244.088,23.055 ; TP21.1@247.47,31.8 247.064,31.394 247.064,28.568 246.2,27.704 246.2,23.883 245.372,23.055 U5.3@244.088,23.055
  Bottom Layer w0.6: U4.12@232.185,26.575 238.509,26.575 v2(238.521,26.563)
NetR27_1: R27.1 U7.7 | length 7.9
  Bottom Layer w0.5: R27.1@86.514,91.437 86.514,91.393 86.714,91.193 87.381,91.193 89.027,89.548 91.8,89.548 92.29,90.038 92.29,91.184 U7.7@92.294,91.188
NetR28_2: R28.2 TP33.1 U1.17 U7.2 | length 117.4
  Top Layer w0.5: TP33.1@95.707,83.761 97.529,81.939 ccw(c99.963,84.368) 99.964,80.929 99.965,80.929 104.007,80.929 cw(c104.007,79.521) 104.983,80.536 104.984,80.535 ccw(c105.329,80.897) 105.027,80.498 cw(c103.774,78.812) 105.875,78.815 cw(c104.489,78.814) 105.468,77.833 105.105,77.47 ccw(c105.923,76.652) 104.766,76.65 104.766,74.379 ccw(c107.153,74.377) 105.467,72.687 ; 105.467,72.687 106.072,72.083 ccw(c107.783,73.79) 107.784,71.372 107.786,71.372 109.893,71.372 cw(c109.893,69.323) 111.344,70.77 112.309,69.805 ; 112.309,69.804 cw(c109.5,66.988) 113.478,66.99 ccw(c119.424,66.985) 115.225,62.775 122.774,55.226 ccw(c125.139,57.587) 125.142,54.245 126.559,54.245 126.561,54.245 cw(c126.561,49.553) 129.887,52.863 ; 129.887,52.863 133.976,48.774 134.466,48.284 ccw(c136.472,50.286) 136.475,47.452 v2(164.137,47.452)
  Bottom Layer w0.3: v2(164.137,47.452) 164.137,42.472 ccw(c166.184,42.47) 164.738,41.022 165.135,40.625 ccw(c166.218,41.705) 166.219,40.175 ; 166.22,40.175 172.289,40.175 173.377,40.182 cw(c173.407,35.84) 173.417,40.183 175.58,40.177 U1.17@176.025,40.175
  Bottom Layer w0.5: U7.2@92.294,86.36 92.294,84.824 93.356,83.761 TP33.1@95.707,83.761 95.775,83.693 97.307,83.693 97.814,84.2 97.814,85.807 R28.2@98.056,86.049
NetR29_2: R29.2 TP32.1 U1.29 U7.1 | length 109.6
  Top Layer w0.5: TP32.1@98.13,91.161 99.601,91.161 cw(c99.601,87.946) 101.876,90.218 114.525,77.569 ccw(c115.835,78.873) 115.835,77.025 115.837,77.025 116.38,77.025 cw(c116.38,75.226) 117.654,76.496 ; 117.654,76.496 118.563,75.587 118.565,75.585 141.515,52.635 ccw(c145.869,56.984) 145.873,50.83 166.284,50.83 ccw(c166.285,54.155) 168.638,51.805 v2(169.25,52.417)
  Bottom Layer w0.3: v2(169.25,52.417) 169.341,52.508 172.492,52.508 cw(c172.492,47.5) 176.036,51.039 176.038,51.037 178.608,48.467 179.119,47.767 179.252,47.524 cw(c177.456,46.538) 179.483,46.837 179.505,46.707 179.523,45.622 U1.29@179.525,45.175
  Bottom Layer w0.5: U7.1@93.564,86.36 94.856,86.36 97.02,88.525 97.862,88.525 R29.2@98.056,88.719
  Bottom Layer w0.8: R29.2@98.056,88.719 TP32.1@98.056,90.693
NetR30_2: R30.2 U7.4 | length 3.1
  Bottom Layer w0.5: R30.2@86.676,86.374 U7.4@89.74,86.374
  Bottom Layer w0.8: R30.2@86.663,86.388 R30.2@86.676,86.374
NetR48_1: R48.1 U11.7 | length 8.3
  Bottom Layer w0.5: R48.1@105.691,68.515 105.691,68.505 105.891,68.305 106.592,68.305 108.241,66.655 111.143,66.655 111.611,67.124 U11.7@111.611,68.548
NetR54_2: R54.2 TP55.1 U1.18 U11.2 | length 80.2
  Top Layer w0.5: TP55.1@116.3,57 120.636,52.804 ccw(c122.798,55.034) 122.798,51.928 125.699,51.928 cw(c125.699,48.312) 128.259,50.866 132.467,46.658 ccw(c136.583,50.764) 136.589,44.95 159.387,44.95 cw(c159.388,38.177) 164.18,42.964 165.502,41.642 v2(165.583,41.642)
  Bottom Layer w0.3: v2(165.583,41.642) 165.585,41.64 ccw(c167.917,43.977) 167.917,40.675 U1.18@176.025,40.675
  Bottom Layer w0.5: U11.2@111.611,63.72 111.615,63.716 111.615,60.885 ccw(c114.688,60.883) 112.515,58.71 112.516,58.709 ccw(c116.297,62.502) 116.297,57.146 TP55.1@116.345,57.146
  Bottom Layer w0.8: TP55.1@116.299,57.146 R54.2@116.299,62.324